# Altium PCB Rear Power Distribution.PcbDoc (part 2 of 3)
Units mm, origin at the board's own origin, x right, y up, seen from the top; angles counter-clockwise.
Board outline 153 x 100.2 mm, 4 copper layers (Component Side, Ground, Signal, Solder Side), stack 0.843 mm thick; 277 components, 195 nets, 965 pads, 810 vias.
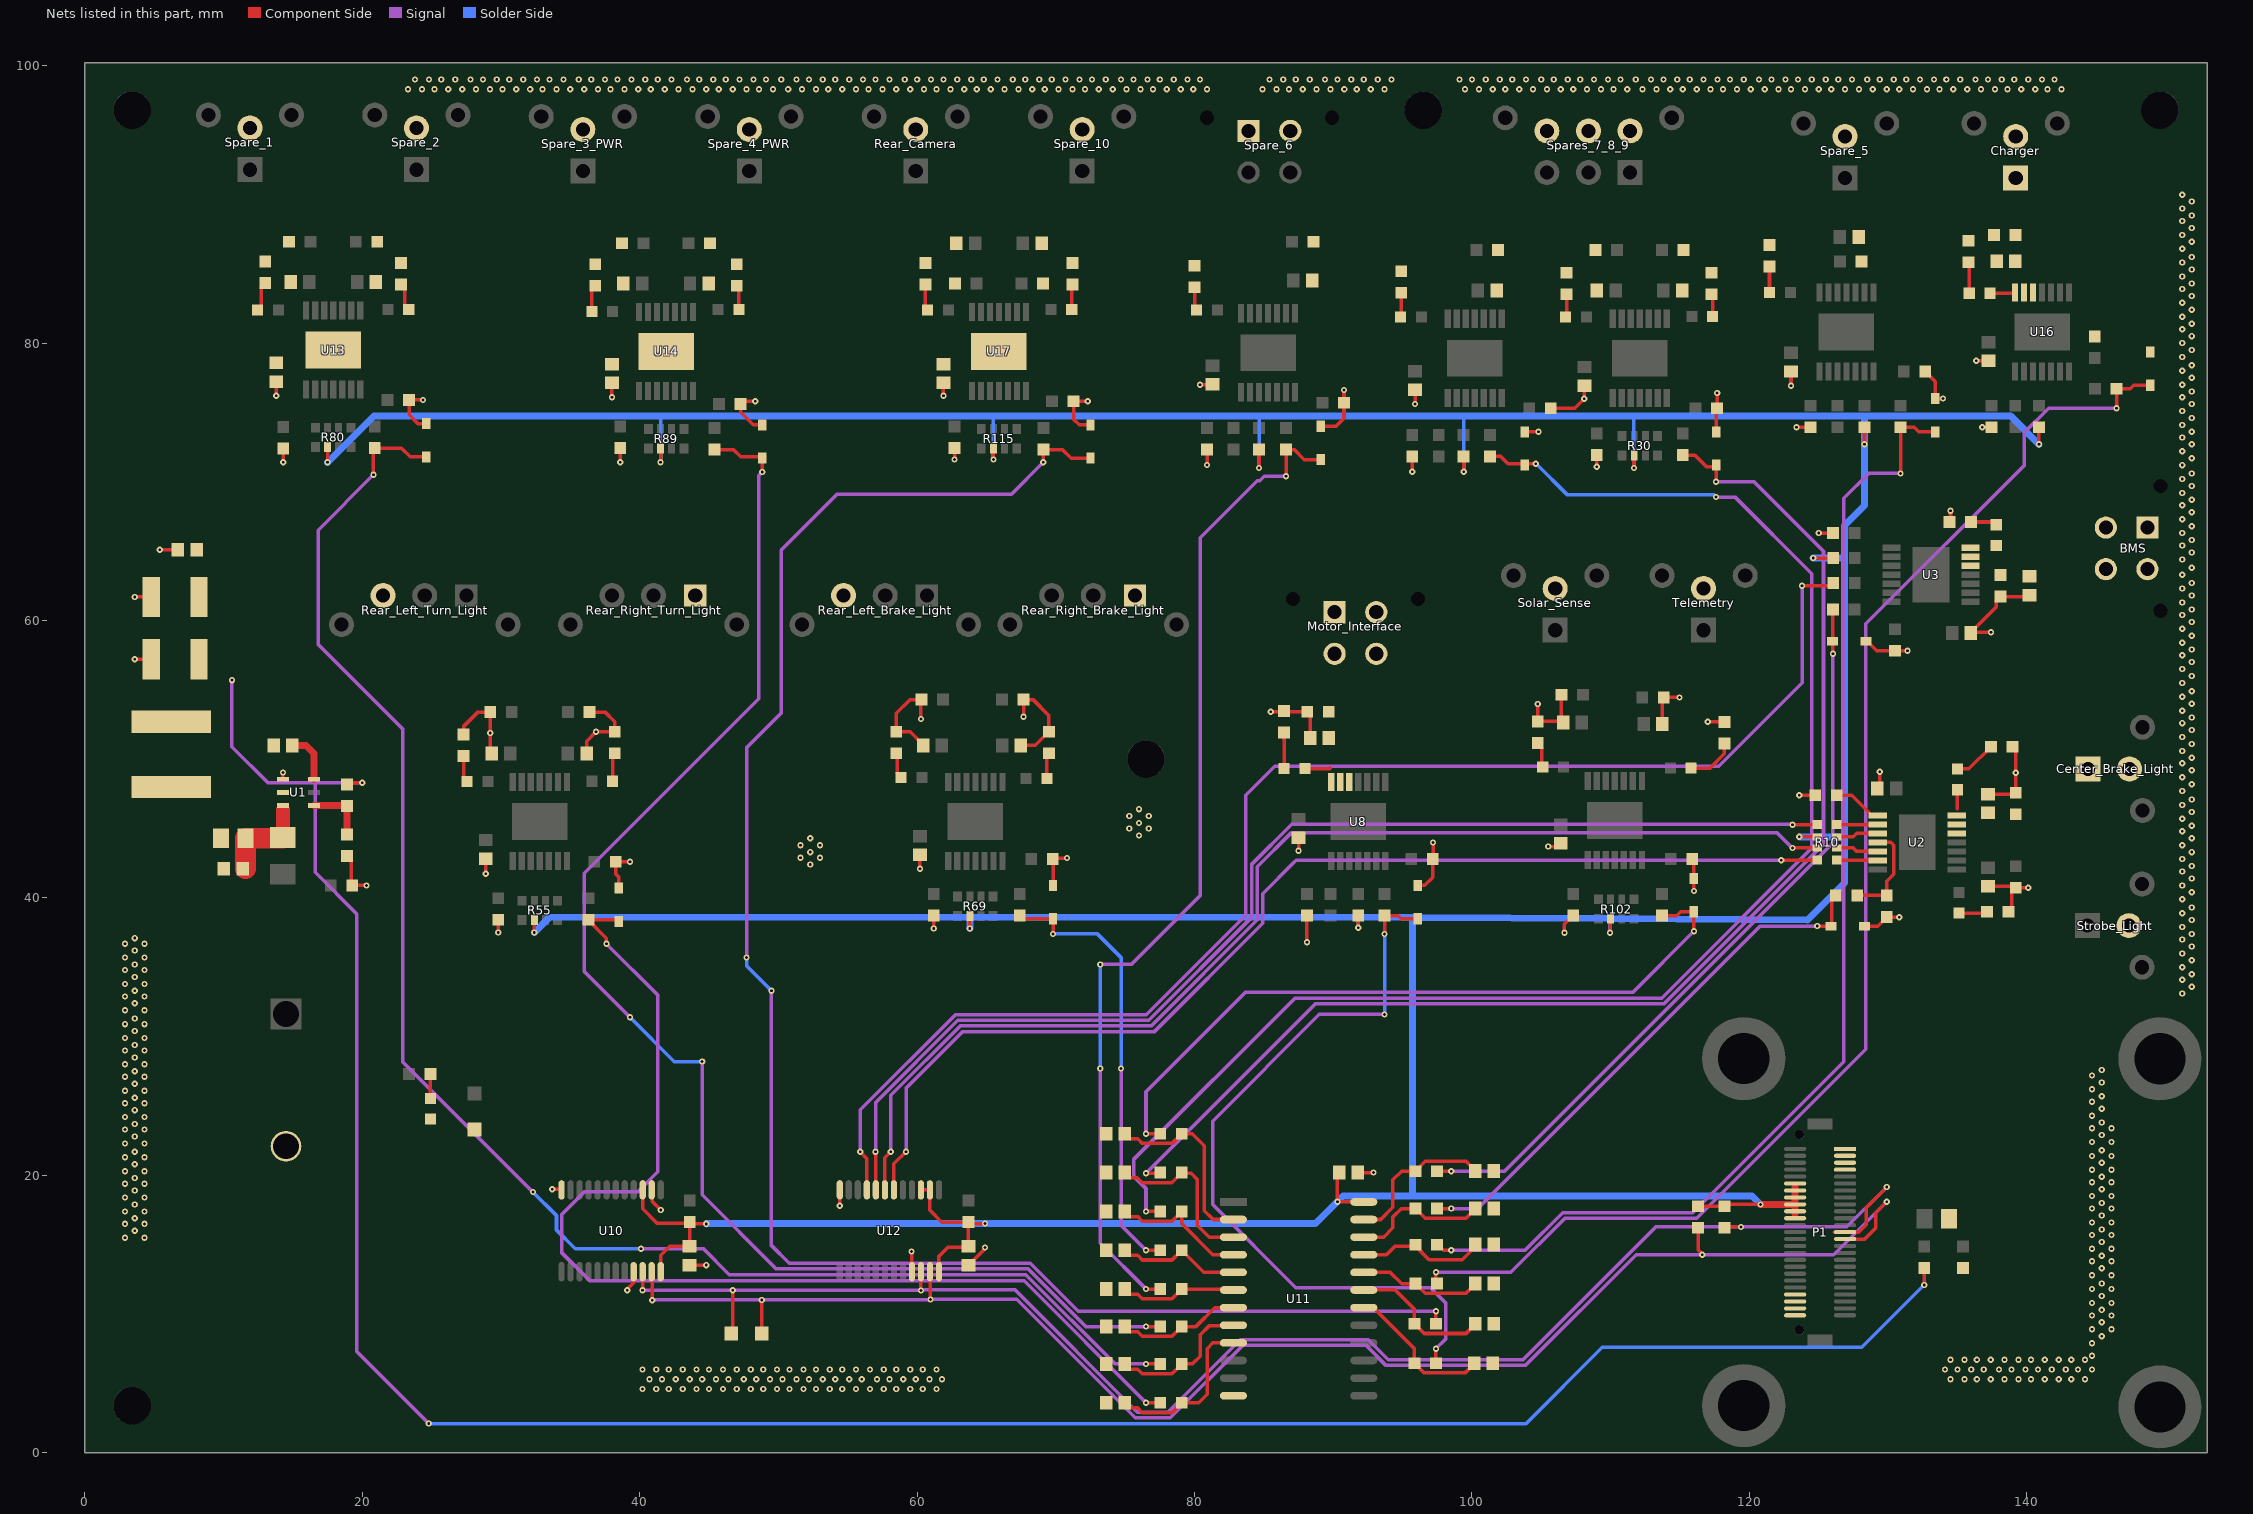
[diagram p4: the nets of this part, all layers, seen from the top]

## Part data (continued)
R4 R5 R6 R14 R17 R26 R32 R41 R42 R47 R53 R67 R68 R76 R77 R82 R87 R91 R96 R98 R113 R114 R122 R123 R124: "RES SMD 10K OHM 1% 1/10W 0603", Manufacturer 1=Yageo, Manufacturer Part Number 1=RC0603FR-0710KL, Operating Temperature="-55°C ~ 155°C", Package / Case="0603 (1608 Metric)", Power=1/10W, Resistance=10k, Supplier Device Package=0603, Supplier Part Number 1=311-10.0KHRCT-ND, Temperature Coefficient=±100ppm/°C, Tolerance=±1%, ComponentLink1Description=http://www.yageo.com/documents/recent/PYu-RC_Group_51_RoHS_L_7.pdf, ComponentLink1URL=http://www.yageo.com/documents/recent/PYu-RC_Group_51_RoHS_L_7.pdf, Composition="Thick Film", Failure Rate=-, Height - Seated (Max)="0.022\" (0.55mm)", Packaging="Cut Tape (CT)", Part Status=Active, Size / Dimension="0.063\" L x 0.031\" W (1.60mm x 0.80mm)", Supplier 1=Digi-Key
R7 R8 R9 R15 R16 R19 R21 R22 R23 R27 R29 R33 R34 R39 R40 R44 R46 R48 R49 R54 R57 R58 R59 R64 R65 R73 R74 R78 R79 R85 R86 R94 R95 R100 R103 R104 R105 R110 R111 R119 R120 R125 R127 R128 R129: "4.7k Ohm ±1% 0.1W, 1/10W Chip Resistor 0603 (1608 Metric) Moisture Resistant Thick Film", Manufacturer 1=Yageo, Manufacturer Part Number 1=RC0603FR-074K7L, Operating Temperature="-55°C ~ 155°C", Package / Case="0603 (1608 Metric)", Power (Watts)=1/10W, Resistance (Ohms)=4.7k, Supplier Device Package=0603, Supplier Part Number 1=311-4.70KHRCT-ND, Temperature Coefficient=±100ppm/°C, Tolerance=±1%, Category=Resistors, ComponentLink1Description=http://www.yageo.com/documents/recent/PYu-RC_Group_51_RoHS_L_7.pdf, ComponentLink1URL=http://www.yageo.com/documents/recent/PYu-RC_Group_51_RoHS_L_7.pdf, Composition="Thick Film", Description 1="RES SMD 4.7K OHM 1% 1/10W 0603", Failure Rate=-, Features="Moisture Resistant", Height - Seated (Max)="0.022\" (0.55mm)", Packaging="Cut Tape (CT)", Part Status=Active, Pricing 1="1=0.16, 10=0.022, 100=0.0089, 1000=0.00402, 2500=0.00349 (CAD)", RoHS="RoHS Compliant", Size / Dimension="0.063\" L x 0.031\" W (1.60mm x 0.80mm)", Stock 1=3487566, Supplier 1=Digi-Key
R10 R30 R55 R69 R80 R89 R102 R115: "4.7k Ohm ±5% 62.5mW Power Per Element Isolated 4 Resistor Network/Array ±200ppm/°C 1206 (3216 Metric), Convex, Long Side Terminals", Number of Resistors=4, Operating Temperature="-55°C ~ 125°C", Package / Case="1206 (3216 Metric), Convex, Long Side Terminals", Power Per Element=62.5mW, Resistance (Ohms)=4.7k, Resistor-Ratio-Drift=-, Supplier Device Package=1206, Supplier Part Number 1=Y9472CT-ND, Temperature Coefficient=±200ppm/°C, Tolerance=±5%, Applications=-, Applications Automotive=AEC-Q200, Category=Resistors, Circuit Type=Isolated, ComponentLink1Description=https://industrial.panasonic.com/cdbs/www-data/pdf/AOC0000/AOC0000C14.pdf, ComponentLink1URL=https://industrial.panasonic.com/cdbs/www-data/pdf/AOC0000/AOC0000C14.pdf, Height - Seated (Max)="0.024\" (0.60mm)", Mounting Type="Surface Mount", Number of Pins=8, Packaging="Cut Tape (CT)", Part Status=Active, Resistor Matching Ratio=-, Series=EXB, Size / Dimension="0.126\" L x 0.063\" W (3.20mm x 1.60mm)", Supplier 1=Digi-Key
R11 R12 R20 R28 R31 R37 R45 R52 R56 R61 R70 R71 R81 R83 R90 R92 R99 R101 R107 R116 R117 R126: "47 kOhms ±1% 0.1W, 1/10W Chip Resistor 0603 (1608 Metric) Automotive AEC-Q200 Thick Film", Case/Package=0603, Case Code (Metric)=1608, Manufacturer=Panasonic, Manufacturer Part Number=ERJ3EKF4702V, Max Operating Temperature=155°C, Max Power Dissipation=100mW, Min Operating Temperature=-55°C, Package Quantity=1, Power Rating=1/10W, Resistance=47k, Supplier Part Number 1=P47.0KHCT-ND, Temperature Coefficient=100ppm/°C, Tolerance=1%, Voltage Rating=75V, Working Voltage=6V, Case Code (Imperial)=0603, ComponentLink1Description=https://industrial.panasonic.com/cdbs/www-data/pdf/RDO0000/AOA0000C291.pdf, ComponentLink1URL=https://industrial.panasonic.com/cdbs/www-data/pdf/RDO0000/AOA0000C291.pdf, ComponentLink2Description=https://datasheet.ciiva.com/6138/aoa0000ce2-6138149.pdf?src-supplier=Farnell, ComponentLink2URL=https://datasheet.ciiva.com/6138/aoa0000ce2-6138149.pdf?src-supplier=Farnell, ComponentLink3Description=https://datasheet.ciiva.com/7802/aoa0000ce2-7802421.pdf?src-supplier=Element14, ComponentLink3URL=https://datasheet.ciiva.com/7802/aoa0000ce2-7802421.pdf?src-supplier=Element14, ComponentLink4Description=https://datasheet.ciiva.com/48531/aoa0000ce2-48531029.pdf?src-supplier=Avnet, ComponentLink4URL=https://datasheet.ciiva.com/48531/aoa0000ce2-48531029.pdf?src-supplier=Avnet, ComponentLink5Description=https://datasheet.ciiva.com/16514/aoa0000ce2-16514071.pdf?src-supplier=Avnet+Asia, ComponentLink5URL=https://datasheet.ciiva.com/16514/aoa0000ce2-16514071.pdf?src-supplier=Avnet+Asia, ComponentLink6Description=https://datasheet.ciiva.com/46398/1678782-46398088.pdf?src-supplier=Element14, ComponentLink6URL=https://datasheet.ciiva.com/46398/1678782-46398088.pdf?src-supplier=Element14, ComponentLink7Description=https://datasheet.ciiva.com/24069/aoa0000ce2-24069209.pdf?src-supplier=Mouser, ComponentLink7URL=https://datasheet.ciiva.com/24069/aoa0000ce2-24069209.pdf?src-supplier=Mouser, ComponentLink8Description=https://datasheet.ciiva.com/46398/1678782-46398089.pdf?src-supplier=Element14, ComponentLink8URL=https://datasheet.ciiva.com/46398/1678782-46398089.pdf?src-supplier=Element14, ComponentLink9Description=https://datasheet.ciiva.com/30236/aoa0000ce2-30236698.pdf?src-supplier=Onlinecomponents.com, ComponentLink9URL=https://datasheet.ciiva.com/30236/aoa0000ce2-30236698.pdf?src-supplier=Onlinecomponents.com, ComponentLink10Description=https://datasheet.ciiva.com/22722/426256-22722781.pdf?src-supplier=Element14, ComponentLink10URL=https://datasheet.ciiva.com/22722/426256-22722781.pdf?src-supplier=Element14, ComponentLink11Description=https://datasheet.ciiva.com/16758/70260748-16758831.pdf?src-supplier=Allied+Electronics, ComponentLink11URL=https://datasheet.ciiva.com/16758/70260748-16758831.pdf?src-supplier=Allied+Electronics, Composition="Thick Film", Contact Plating=Tin, Depth=0.8mm, Features="Automotive AEC-Q200", Height=0.022inch, Lead Free="Lead Free", Length=1.6mm, Military Standard=Not, Mount="Surface Mount", Number of Pins=2, Number of Terminations=2, Packaging="Tape and Reel", Pricing 1="1 = 0.100000, 10 = 0.065000, 100 = 0.026400, 1000 = 0.011860, 2500 = 0.010290 (USD)", Radiation Hardening=No, REACH SVHC="No SVHC", RoHS=Yes, Stock 1=1704740, Supplier 1=Digi-Key, Termination=SMD/SMT, Voltage Rating (DC)=75V, Width=0.031inch
R13 R24 R35 R38 R50 R60 R62 R72 R84 R93 R106 R109 R118 R130: "47 Ohms ±1% 0.1W, 1/10W Chip Resistor 0603 (1608 Metric) Automotive AEC-Q200, Moisture Resistant Thick Film", Operating Temperature="-55°C ~ 155°C", Package / Case="0603 (1608 Metric)", Power (Watts)="0.1W, 1/10W", Ratings=AEC-Q200, Resistance="47 Ohms", Supplier Device Package=0603, Supplier Part Number 1=311-47LDCT-ND, Temperature Coefficient=±100ppm/°C, Tolerance=±1%, Values=47, ComponentLink1Description=https://www.yageo.com/upload/media/product/productsearch/datasheet/rchip/PYu-AC_51_RoHS_L_7.pdf, ComponentLink1URL=https://www.yageo.com/upload/media/product/productsearch/datasheet/rchip/PYu-AC_51_RoHS_L_7.pdf, Composition="Thick Film", Features="Automotive AEC-Q200, Moisture Resistant", Height - Seated (Max)="0.022\" (0.55mm)", Number of Terminations=2, Size / Dimension="0.063\" L x 0.031\" W (1.60mm x 0.80mm)", Supplier 1=Digi-Key
R18 R43 R66 R75 R88 R97 R112 R121: "1.6 kOhms ±1% 0.1W, 1/10W Chip Resistor 0603 (1608 Metric) Moisture Resistant Thick Film", Case/Package=0603, Case Code (Metric)=1608, Manufacturer=Yageo, Manufacturer Part Number=RC0603FR-071K6L, Max Operating Temperature=155°C, Min Operating Temperature=-55°C, Power Rating=1/10W, Resistance=1.6k, Supplier Part Number 1=311-1.60KHRCT-ND, Temperature Coefficient=100ppm/°C, Tolerance=1%, Voltage Rating=50V, Working Voltage=75V, Case Code (Imperial)=0603, ComponentLink1Description=http://components.arrow.com/part/dataview/0323_00200779, ComponentLink1URL=http://components.arrow.com/part/dataview/0323_00200779, ComponentLink2Description=http://www.yageo.com.tw/exep/pages/download/literatures/PYu-R_INT-thick_7.pdf, ComponentLink2URL=http://www.yageo.com.tw/exep/pages/download/literatures/PYu-R_INT-thick_7.pdf, ComponentLink3Description=http://www.mouser.com/ds/2/447/RC0603-272842.pdf, ComponentLink3URL=http://www.mouser.com/ds/2/447/RC0603-272842.pdf, ComponentLink4Description=http://www.yageo.com/documents/recent/PYu-RC0603_51_RoHS_L_v5.pdf, ComponentLink4URL=http://www.yageo.com/documents/recent/PYu-RC0603_51_RoHS_L_v5.pdf, Composition="Thick Film", Depth=0.8mm, Lead Free="Lead Free", Length=1.6mm, Military Standard=Not, Number of Terminations=2, Packaging="Tape and Reel", Pricing 1="1=0.1, 10=0.015, 100=0.006, 1000=0.0027, 2500=0.0023 (USD)", Stock 1=189550, Supplier 1=Digi-Key, Termination=SMD/SMT, Voltage Rating (DC)=50V
R25 R36 R51 R63 R108 R131: "1.21k Ohm ±1% 0.1W, 1/10W Chip Resistor 0603 (1608 Metric) Moisture Resistant Thick Film", Manufacturer 1=Yageo, Manufacturer Part Number 1=RC0603FR-071K21L, Operating Temperature="-55°C ~ 155°C", Package / Case="0603 (1608 Metric)", Power=1/10W, Resistance=1.21k, Supplier Device Package=0603, Supplier Part Number 1=311-1.21KHRCT-ND, Temperature Coefficient=±100ppm/°C, Tolerance=±1%, ComponentLink1Description=http://www.yageo.com/documents/recent/PYu-RC_Group_51_RoHS_L_7.pdf, ComponentLink1URL=http://www.yageo.com/documents/recent/PYu-RC_Group_51_RoHS_L_7.pdf, Composition="Thick Film", Failure Rate=-, Height - Seated (Max)="0.022\" (0.55mm)", Packaging="Cut Tape (CT)", Part Status=Active, Size / Dimension="0.063\" L x 0.031\" W (1.60mm x 0.80mm)", Supplier 1=Digi-Key
Rear_Left_Brake_Light Rear_Left_Turn_Light Rear_Right_Brake_Light Rear_Right_Turn_Light: "Connector Header Through Hole 3 position 0.118\" (3.00mm)", Insulation Color=Black, Material Flammability Rating="UL94 V-0", Supplier Part Number 1=WM1918-ND, Connector Type=Header, Contact Finish=Tin, Contact Finish Thickness="100.0μin (2.54μm)", Contact Length="0.125\" (3.18mm)", Contact Material=Brass, Contact Shape=Square, Contact Type="Male Pin", Fastening Type="Locking Ramp", Features="Board Guide", Insulation Height="0.390\" (9.91mm)", Insulation Material="Liquid Crystal Polymer (LCP), Glass Filled", Mated Stacking Heights=17.56mm, Mounting Type="Through Hole", Number of Positions=3, Number of Positions Loaded=All, Number of Rows=1, Packaging=Tray, Part Status=Active, Shrouding Shrouded="4 Wall", Style="Board to Cable/Wire", Supplier 1=Digi-Key, Termination Kinked Pin=Solder
Spares_7_8_9: "Connector Header Through Hole 6 position 0.118\" (3.00mm)", Supplier Part Number 1=WM10673-ND, ComponentLink1Description=http://www.literature.molex.com/SQLImages/kelmscott/Molex/PDF_Images/987650-5984.pdf, ComponentLink1URL=http://www.literature.molex.com/SQLImages/kelmscott/Molex/PDF_Images/987650-5984.pdf, ComponentLink2Description=https://www.molex.com/pdm_docs/ps/PS-43045.pdf, ComponentLink2URL=https://www.molex.com/pdm_docs/ps/PS-43045.pdf, ComponentLink3Description=https://www.molex.com/pdm_docs/sd/430450627_sd.pdf, ComponentLink3URL=https://www.molex.com/pdm_docs/sd/430450627_sd.pdf, Supplier 1=Digi-Key
U1: "Buck Switching Regulator IC Positive Adjustable 0.6V 1 Output 5A SOT-23-6 Thin, TSOT-23-6", Manufacturer="Texas Instruments", Manufacturer Part Number=TPS565201DDCT, Max Operating Temperature=125°C, Min Operating Temperature=-40°C, Supplier Part Number 1=296-47501-1-ND, Pricing 1="1 = 2.46000, 10 = 2.21100, 100 = 1.77710 (USD)", Stock 1=2226, Supplier 1=Digi-Key
U2 U5 U7 U9 U13 U14 U15 U17: "Power Switch/Driver 1:1 N-Channel 1.2A PG-TSDSO-14-22", Manufacturer=Infineon, Manufacturer Part Number=BTS72002EPAXUMA1, Supplier Part Number 1=BTS72002EPAXUMA1CT-ND, ComponentLink1Description=https://www.infineon.com/dgdl/Infineon-BTS7200-2EPA-DS-v01_00-EN.pdf?fileId=5546d462636cc8fb016421e548a61215, ComponentLink1URL=https://www.infineon.com/dgdl/Infineon-BTS7200-2EPA-DS-v01_00-EN.pdf?fileId=5546d462636cc8fb016421e548a61215, Pricing 1="1=1.31000, 10=1.17500, 100=0.91640, 500=0.75700, 1000=0.59763 (USD)", RoHS=No, Stock 1=1973, Supplier 1=Digi-Key
U3 U6 U8 U16 U18: "Power Switch/Driver 1:1 N-Channel 4.5A PG-TSDSO-14-22", Manufacturer=Infineon, Manufacturer Part Number=BTS70401EPAXUMA1, Supplier Part Number 1=BTS70401EPAXUMA1CT-ND, ComponentLink1Description=https://www.infineon.com/dgdl/Infineon-BTS7040-1EPA-DS-v01_00-EN.pdf?fileId=5546d462636cc8fb0163fe8f965308bc, ComponentLink1URL=https://www.infineon.com/dgdl/Infineon-BTS7040-1EPA-DS-v01_00-EN.pdf?fileId=5546d462636cc8fb0163fe8f965308bc, Supplier 1=Digi-Key
U4: "Power Switch/Driver 1:1 N-Channel 11A PG-TSDSO-14-22", Manufacturer=Infineon, Manufacturer Part Number=BTS70081EPPXUMA1CT-ND, ComponentLink1Description=https://media.digikey.com/pdf/Data%20Sheets/Infineon%20PDFs/BTS7008-1EPP_v1.03_4-29-19.pdf, ComponentLink1URL=https://media.digikey.com/pdf/Data%20Sheets/Infineon%20PDFs/BTS7008-1EPP_v1.03_4-29-19.pdf, RoHS=YES, Supplier 1=Digi-Key, Supplier Part Number 1=BTS70081EPPXUMA1CT-ND
U10 U12: "I/O Expander 16 I2C, SMBus 400kHz 24-TSSOP", Supplier Part Number 1=568-13622-1-ND, ComponentLink1Description=https://www.nxp.com/docs/en/data-sheet/PCA9539_PCA9539R.pdf, ComponentLink1URL=https://www.nxp.com/docs/en/data-sheet/PCA9539_PCA9539R.pdf, Supplier 1=Digi-Key
U11: "1 Circuit IC Switch 16:1 160 Ohm 24-SOIC", Case/Package=SOIC, High Level Output Current=25mA, Manufacturer="Texas Instruments", Manufacturer Part Number=CD74HC4067M96, Max Operating Temperature=125°C, Max Supply Voltage=6V, Min Operating Temperature=-55°C, Min Supply Voltage=2V, Nominal Supply Current=8uA, On-State Resistance=180R, Package Quantity=2000, Supplier Part Number 1=296-29408-1-ND, Bandwidth=89MHz, ComponentLink1Description=http://www.ti.com/lit/ds/symlink/cd74hc4067.pdf, ComponentLink1URL=http://www.ti.com/lit/ds/symlink/cd74hc4067.pdf, ComponentLink2Description=https://www.verical.com/server-webapp/html/getDatasheet?partID=322813&src-supplier=Verical, ComponentLink2URL=https://www.verical.com/server-webapp/html/getDatasheet?partID=322813&src-supplier=Verical, ComponentLink3Description=http://focus.ti.com/lit/ds/symlink/cd74hc4067.pdf?src-supplier=Avnet+Europe, ComponentLink3URL=http://focus.ti.com/lit/ds/symlink/cd74hc4067.pdf?src-supplier=Avnet+Europe, ComponentLink4Description=http://www.ti.com/lit/ds/symlink/cd74hc4067.pdf?src-supplier=Digi-Key, ComponentLink4URL=http://www.ti.com/lit/ds/symlink/cd74hc4067.pdf?src-supplier=Digi-Key, Contact Plating=Matte,Tin, Height=2.35mm, Lead Free="Lead Free", Length=15.4mm, Logic Function=Demultiplexer,Multiplexer, Low Level Output Current=25mA, Mount="Surface Mount", Number of Bits=16, Number of Channels=1, Number of Circuits=1, Number of Inputs=16, Number of Outputs=1, Number of Pins=24, Operating Supply Current=8uA, Packaging="Tape and Reel", Pricing 1="1 = 0.80000, 10 = 0.70400, 100 = 0.53940, 500 = 0.42642, 1000 = 0.34114 (USD)", Propagation Delay=75ns, Radiation Hardening=No, REACH SVHC="No SVHC", RoHS=Yes, Stock 1=10305, Supplier 1=Digi-Key, Supply Type=Single, Turn-Off Delay Time=290ns, Turn-On Delay Time=300ns, Weight=0.022025oz, Width=7.52mm

## Free pads (board coordinates)
  round 2.7 hole 2.7: ""(3.4,3.4) ""(3.4,96.8) ""(76.5,50) ""(96.5,96.8) ""(119.6,3.4) ""(119.6,28.4) ""(149.6,96.8) ""(149.6,3.4) ""(149.6,28.4)

## Via types
v1: diameter 0.45, hole 0.2, Component Side to Solder Side, tented both sides, 810 vias

## Nets (pads, with @x,y where several pads share a name; then routed paths per layer and width w, separated by ;. In a path a pad name is that pad's centre, name@x,y a point inside that pad or via, vN(x,y) a via of type N, cw(c..) or ccw(c..) an arc to the next point about the centre after c; other vN are vias at no path point)
3V3: C36.1 C37.1 C38.1 P1.40 P1.41 P1.42 P1.43 P1.44 P1.45 R8.1 R9.1 R10.2 R21.1 R27.1 R30.2 R44.1 R54.1 R55.2 R69.2 R78.1 R79.1 R80.2 R89.2 R100.1 R102.2 R115.2 R125.1 U10.3 U10.24 U11.24 U12.2 U12.3 U12.24 | length 431
  Component Side w0.254: v1(17.5,71.4) R80.2@17.5,72.5 ; v1(32.4,37.5) R55.2@32.4,38.4 ; U10.3@40.215,18.95 40.215,17.584 41.246,16.553 43.6,16.553 C36.1@43.6,14.875 42.175,14.875 41.528,14.228 41.528,13.065 41.515,13.053 U10.24@41.528,13.04 ; v1(41.5,71.4) R89.2@41.5,72.3 ; R78.1@43.6,16.625 43.725,16.5 v1(44.8,16.5) ; U12.3@60.275,18.95 U12.2@60.925,18.95 60.925,17.475 61.775,16.625 R79.1@63.7,16.625 ; U12.24@61.575,13.05 61.575,14.175 62.2,14.8 63.7,14.8 C38.1@63.7,14.875 R79.1@63.7,16.625 ; v1(63.8,37.8) R69.2@63.8,38.7 ; v1(64.9,16.525) 63.8,16.525 R79.1@63.7,16.625 ; v1(65.5,71.6) R115.2@65.5,72.4 ; v1(84.65,71) R27.1@84.65,72.325 ; C37.1@90.425,20.2 90.3,20.075 v1(90.3,18.1) 92.185,18.1 U11.24@92.2,18.085 ; v1(91.8,37.846) R54.1@91.8,38.725 ; v1(99.4,70.725) R44.1@99.4,71.825 ; v1(109.946,37.481) 109.973,37.508 109.973,38.473 R102.2@110,38.5 ; v1(111.675,71) R30.2@111.675,71.9 ; R8.1@116.3,17.775 R9.1@118.2,17.775 118.242,17.775 118.367,17.9 v1(120.8,17.9) ; v1(123.6,44.406) 124.894,44.406 R10.2@124.9,44.4 ; v1(124.6,64.5) R21.1@126.05,64.5 ; v1(128.3,72.7) R125.1@128.3,74.225 ; v1(140.871,72.7) R100.1@140.871,73.925
  Component Side w0.5: v1(120.8,17.9) P1.42@123.3,17.9 ; 123.3,17.2 P1.41@123.3,17.408 P1.42@123.3,17.9 ; 123.3,19.2 P1.44@123.3,18.908 P1.43@123.3,18.408 P1.42@123.3,17.908 P1.42@123.3,17.9
  Solder Side w0.254: v1(41.5,71.4) 41.5,74.729 ; v1(65.5,71.6) 65.5,74.729 ; v1(84.65,71) 84.65,74.729 ; v1(91.8,37.846) 91.8,38.604 ; v1(99.4,70.725) 99.4,74.729 ; 109.945,38.5 109.946,38.499 v1(109.946,37.481) ; v1(111.675,71) 111.675,74.729
  Solder Side w0.5: v1(17.5,71.4) 20.829,74.729 41.5,74.729 65.5,74.729 84.65,74.729 99.4,74.729 111.675,74.729 128.3,74.729 ; v1(32.4,37.5) 33.504,38.604 63.8,38.604 ; v1(44.8,16.5) 44.813,16.513 64.888,16.513 v1(64.9,16.525) 88.725,16.525 v1(90.3,18.1) 90.7,18.5 95.7,18.5 ; v1(63.8,37.8) 63.8,38.604 ; 95.696,38.604 91.8,38.604 63.8,38.604 ; v1(120.8,17.9) 120.2,18.5 107.925,18.5 95.7,18.5 ; v1(123.6,44.406) 126.848,44.406 126.854,44.4 ; v1(124.6,64.5) 126.854,64.5 ; v1(140.871,72.7) 138.842,74.729 128.3,74.729 ; 95.7,18.5 95.7,38.6 109.945,38.5 124.19,38.4 126.854,41.064 126.854,44.4 ; 126.854,44.4 126.854,64.5 ; 126.854,64.5 126.854,66.854 128.3,68.3 v1(128.3,72.7) 128.3,74.729
+5V: C2.1 C3.1 C4.1 C39.1 C43.1 C54.1 L1.2 R2.1 R3.1 U13.15 U14.15 U17.15 | length 179.2
  Component Side w0.254: R2.1@18.9,48.175 19.025,48.3 v1(20,48.3) ; v1(132.6,12.1) R3.1@132.6,13.325
  Signal w0.254: v1(10.6,55.7) 10.6,50.9 13.2,48.3 16.6,48.3 ; v1(20,48.3) 16.6,48.3 ; v1(24.797,2.103) 19.6,7.3 19.6,38.838 16.6,41.838 16.6,48.3
  Solder Side w0.254: v1@24.8,2.1 103.893,2.1 109.393,7.6 128.1,7.6 v1(132.6,12.1)
BMS_PWR: BMS.1 BMS.2 C13.1 LED4.1 R20.1 U3.12 U3.13 U3.14
Center_Brake_Light_PWR: C10.1 Center_Brake_Light.1 LED2.1 R11.1 U2.12 U2.13 U2.14 | length 1.4